# Allegro board reServer J2032_V1.brd (continued)
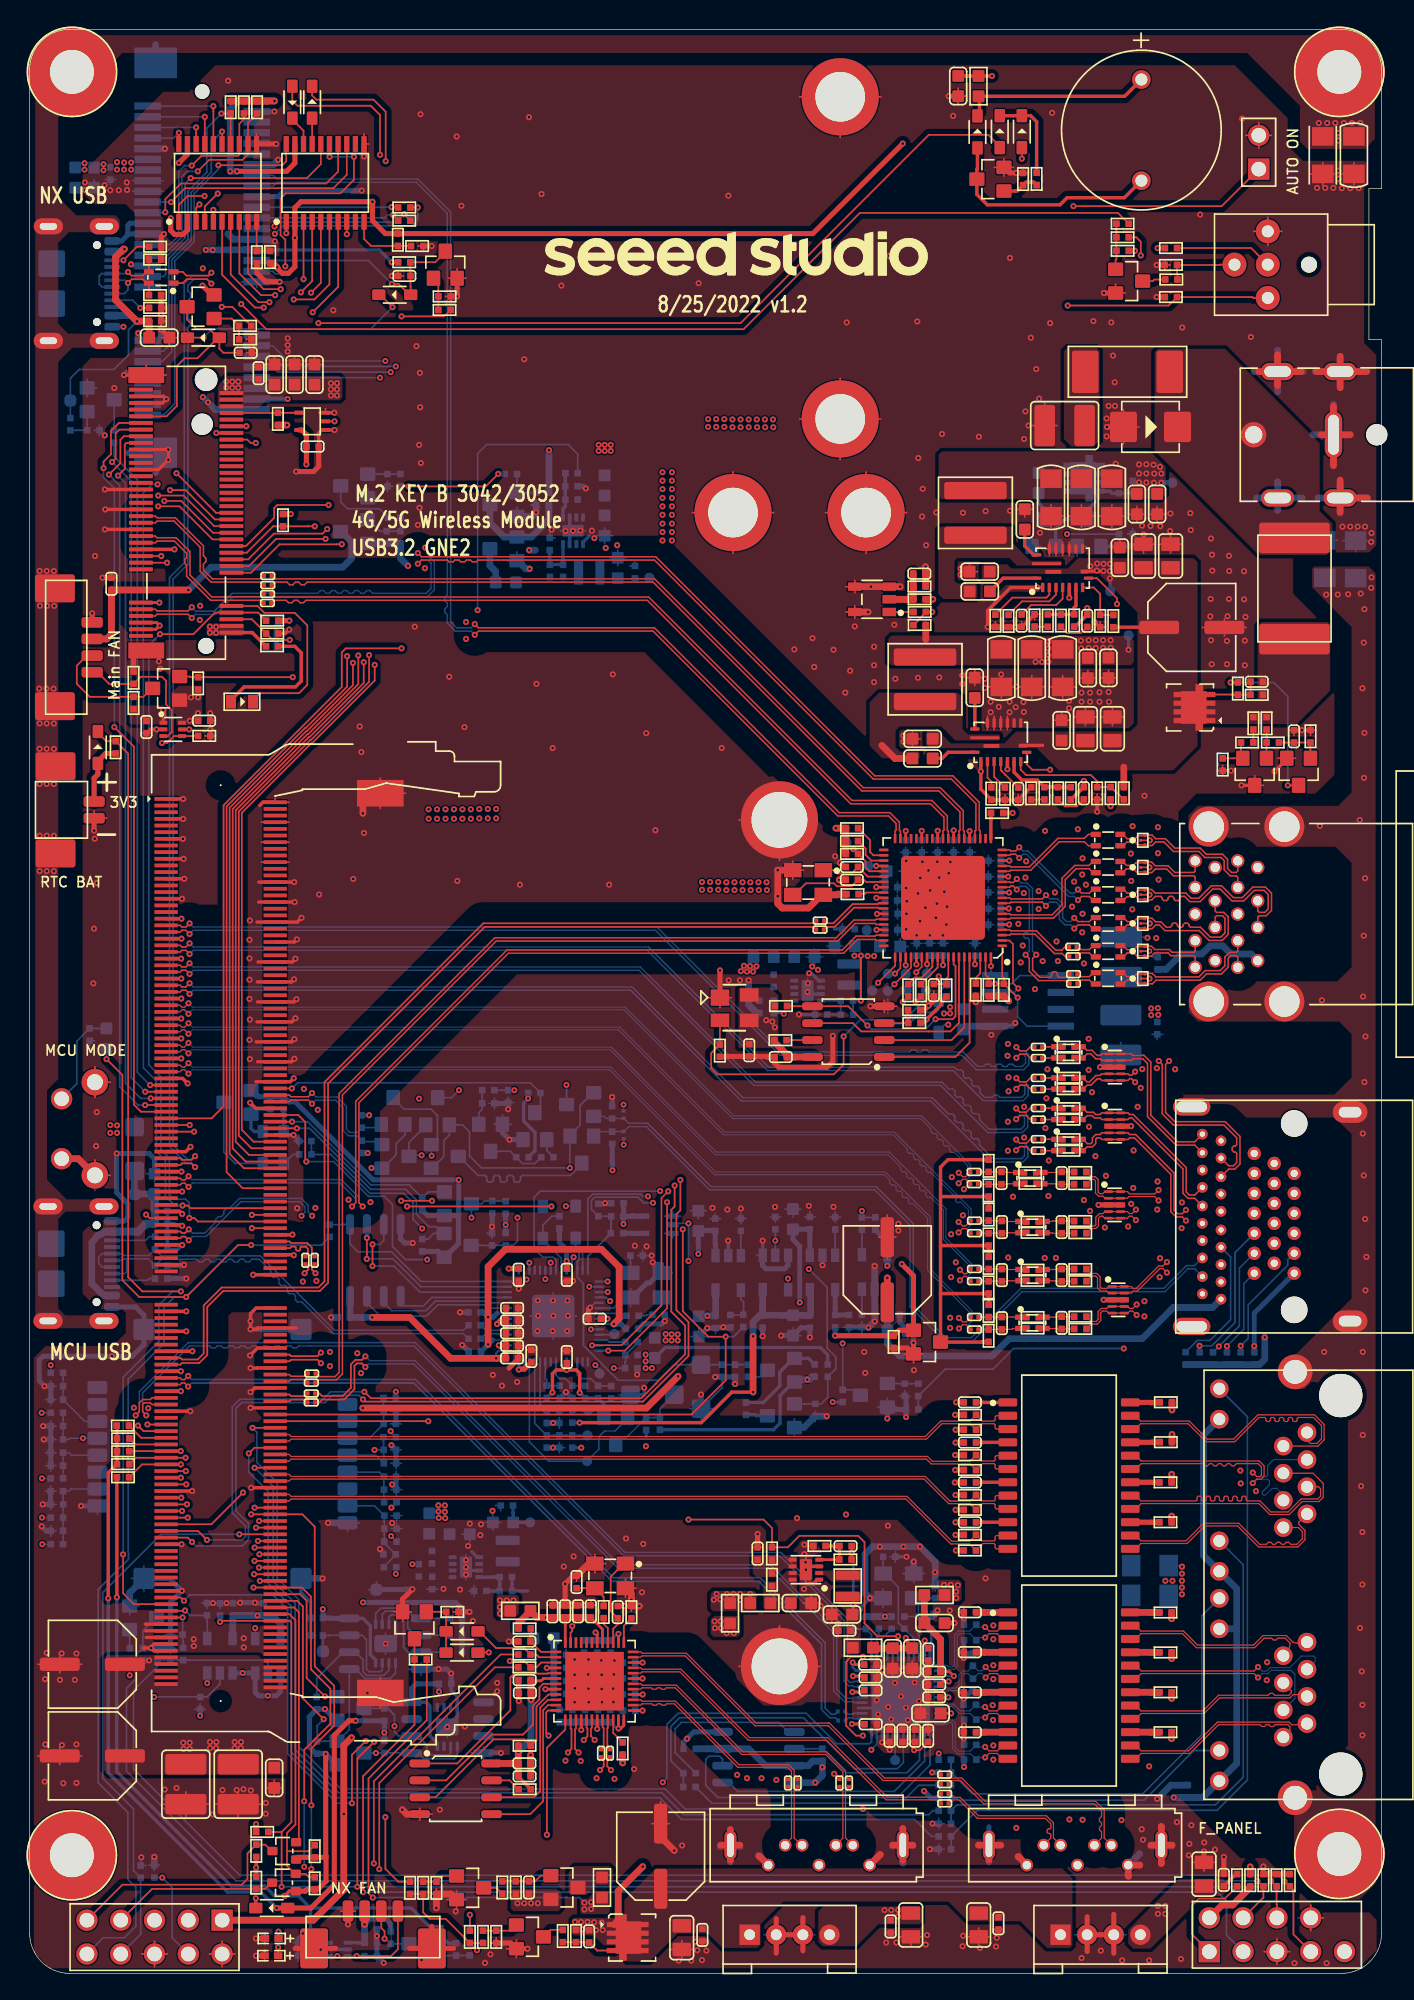
[diagram p0: board, top side]
## Placement (name value [footprint] x y rotation side) (continued)
D39  ESDPSA0402V05  [D0402]  2.04 36.23 0 bottom
D40  ESDPSA0402V05  [D0402]  2.04 39.12 0 bottom
D41  ESDPSA0402V05  [D0402]  2.04 43.11 0 bottom
D42  ESDPSA0402V05  [D0402]  2.04 40.11 0 bottom
D43  PMEG3010CEJ  [SOD_323]  13.06 122.89 180 top
D44  PMEG3010CEJ  [SOD_323]  27.44 126.12 180 top
D45  ESDPSA0402V05  [D0402]  27.11 34.4 180 bottom
D46  ESDPSA0402V05  [D0402]  27.08 37.32 180 bottom
D47  ESDPSA0402V05  [D0402]  27.06 41.28 180 bottom
D48  ESDPSA0402V05  [D0402]  27.08 38.31 180 bottom
D49  ESDPSA0402V05  [D0402]  9.88 56.32 180 bottom
D50  ESDPSA0402V05  [D0402]  9.43 124.14 180 top
D51  ESDPSA0402V05  [D0402]  9.88 54.39 180 bottom
D52  ESDPSA0402V05  [D0402]  9.88 53.17 180 bottom
D53  ESDPSA0402V05  [D0402]  9.42 128.76 180 top
D54  ESDPSA0402V05  [D0402]  9.42 126.09 180 top
D55  TPD4E05U06DQAR  [USON10_0D5_2D5X1X0D5MM]  81.53 57.74 270 top
D56  TPD4E05U06DQAR  [USON10_0D5_2D5X1X0D5MM]  81.81 50.61 270 top
D57  TPD4E05U06DQAR  [USON10_0D5_2D5X1X0D5MM]  81.56 68.09 270 top
D58  TPD4E05U06DQAR  [USON10_0D5_2D5X1X0D5MM]  81.56 63.65 270 top
D59  ESDPSA0402V05  [D0402]  84.75 71.01 90 bottom
D60  ESDPSA0402V05  [D0402]  84.77 75.89 270 bottom
D61  PMEG3010CEJ  [SOD_323]  18.19 4.91 180 top
D62  PMEG3010CEJ  [SOD_323]  68.32 71.9 270 bottom
D63  ESDPSA0402V05  [D0402]  4.5 70.53 90 bottom
D64  ESDPSA0402V05  [D0402]  9.36 7.66 270 bottom
D65  ESDPSA0402V05  [D0402]  87.04 13.68 270 bottom
D66  MMSZ3V3T1G  [SOD_123]  46.8 43.47 0 bottom
D67  ESDPSA0402V05  [D0402]  70.68 26.2 0 bottom
D68  ESDPSA0402V05  [D0402]  70.68 25.03 0 bottom
D69  ESDPSA0402V05  [D0402]  70.88 23.57 270 bottom
D70  ESDPSA0402V05  [D0402]  70.89 21.68 90 bottom
D71  ESDPSA0402V05  [D0402]  70.66 20.18 0 bottom
D72  ESDPSA0402V05  [D0402]  70.68 19.06 0 bottom
D73  ESDPSA0402V05  [D0402]  70.69 17.17 0 bottom
D74  ESDPSA0402V05  [D0402]  70.69 16.07 0 bottom
D75  ESDPSA0402V05  [D0402]  70.66 31.78 0 top
D76  ESDPSA0402V05  [D0402]  70.66 32.94 0 top
D77  ESDPSA0402V05  [D0402]  70.66 34.82 0 top
D78  ESDPSA0402V05  [D0402]  70.66 35.94 0 top
D79  ESDPSA0402V05  [D0402]  70.67 37.82 0 top
D80  ESDPSA0402V05  [D0402]  70.67 38.94 0 top
D81  ESDPSA0402V05  [D0402]  70.67 40.84 0 top
D82  ESDPSA0402V05  [D0402]  70.67 41.96 0 top
D83  PMEG3010CEJ  [SOD_323]  19.74 140.58 270 top
D84  PMEG3010CEJ  [SOD_323]  21.23 140.58 90 top
F1  5A  [R2P_7D4_8X5_5X1_2MM]  95.06 104.05 270 top
FB1  120R  [L0603]  46.97 46.99 270 bottom
FB2  120R  [L0603]  55.16 76.36 0 bottom
FB3  120R  [L0603]  30.03 33.8 270 bottom
FB4  120R  [L0603]  54.91 27.82 0 top
FB5  120R  [L0603]  43.21 111.79 270 bottom
FB6  120R  [L0603]  52.64 27.06 270 top
FB7  120R  [L0603]  62.63 24.47 0 top
FB8  30R  [L0603]  68 28.43 180 top
FB9  120R  [L0603]  38.62 25.18 0 bottom
FB10  120R  [L0603]  36.87 27.24 0 top
FB12  120R  [L0603]  43.01 6.45 270 top
FB13  120R  [L0603]  5.77 70.23 90 bottom
FB14  600R  [L0402]  45.24 47.44 0 bottom
J2  Header 2x5 2.54  [HEADER2X5P_2D54_1_DIP]  9.38 2.72 270 top
J3  4P-1.25mm  [HEADER4_2P_1D25_SMD]  4.7 99.63 270 top
J4  ST-PH-254-0096-2*5-K10  [HEADER2X5P_2D54_9P_RIGHT]  93.74 2.9 90 top
J5  SODDR4  [CON_SODIMM_260_SMT_0D5_AS0A821_H2SB_7H]  14.45 54.86 90 top
J7  LPJE201AGNL  [RJ45_24P_2D04_32_25X15_7MM]  95.11 29.19 90 top
J8  TYPE-A 3.0  [USB3_1_2D0_17_5X13_6X15_69MM]  94.29 79.59 90 top
J9  PH 4P 2.0mm  [HEADER4P-2_0-GROVE-DIP]  57.11 2.9 90 top
J10  JSATA-03A125  [SATA7P_1D27_16_1X6_4X8_4MM]  59.14 9.63 0 top
J11  PH 4P 2.0mm  [HEADER4P-2_0-GROVE-DIP]  80.48 2.9 90 top
J12  JSATA-03A125  [SATA7P_1D27_16_1X6_4X8_4MM]  78.57 9.63 0 top
J13  A132110S1-10  [HDMI_DP_39P_18D05X18D1X19D3MM]  100.34 56.85 90 top
J14  ST-SIM-216  [SIM2X8P_1D27_17D5X17D5X3MM]  14.49 39.02 0 bottom
J15  2E0BC21-S85BB-7H  [CON_MINIPEX_067_SMT_RA_M2_KEYE_B]  13.26 109.74 90 top
J16  ST-PC-002  [PCIE52_0D8_56X30_2X4MM]  12.96 128.89 0 bottom
J17  TYPE-C 2.0  [USB2_0_TYPE_C_LONG]  6.13 53.32 0 bottom
J18  TYPE-C 2.0  [USB2_0_TYPE_C_LONG]  6.16 126.96 0 bottom
J19  Header 1x2 1.25mm  [JST2P_1D25_7_55X3_9X4_8MM]  4.84 87.42 270 top
J20  JHD-0528A-25  [DC_JACK_JPD441_13X10X10MM]  103.99 115.6 270 top
J21  Header 1x2 2.54mm  [HEADER2P_2D54_DIP]  92.37 136.83 180 top
J22  4P-1.25mm  [HEADER4_2P_1D25_SMD]  25.8 4.68 0 top
L1  1.2uH  [L2P_3D35_5_55X5_35X3MM]  67.29 97.23 90 top
L2  1.2uH  [L2P_3D35_5_55X5_35X3MM]  71.08 109.72 90 top
L3  1uH  [L2016]  35.93 31.74 90 bottom
L4  1uH  [L2016]  61.61 75.04 90 bottom
L5  1uH  [L2016]  61.48 29.11 270 top
L6  1uH  [L2016]  42.05 105.24 0 bottom
L7  90R  [L2012]  81.05 78.9 0 top
L8  90R  [L2012]  81.05 83.12 0 top
L9  90R  [L2012]  81.05 76.79 0 top
L10  90R  [L2012]  81.05 81.03 0 top
L11  90R  [L2012]  81.05 85.15 0 top
L12  90R  [L2012]  81.05 74.76 0 top
L13  90R  [L2012]  75.2 59.75 0 top
L14  90R  [L2012]  75.36 56.06 0 top
L15  1nH  [L0402]  20.72 61.52 0 bottom
L16  90R  [L2012]  75.37 52.46 0 top
L17  90R  [L2012]  75.36 48.88 0 top
L18  90R  [L2012]  78.08 69.2 0 top
L19  90R  [L2012]  78.08 66.86 0 top
L20  90R  [L2012]  78.08 64.57 0 top
L21  90R  [L2012]  78.08 62.24 0 top
L22  90R  [L2012]  9.89 127.41 180 top
L23  3.9nH  [L0402]  75.19 60.18 0 top
L24  3.9nH  [L0402]  75.21 59.32 0 top
L25  3.9nH  [L0402]  75.37 56.48 0 top
L26  3.9nH  [L0402]  75.37 55.64 0 top
L27  3.9nH  [L0402]  75.37 52.87 0 top
L28  3.9nH  [L0402]  75.37 52.03 0 top
L29  3.9nH  [L0402]  75.37 49.31 0 top
L30  3.9nH  [L0402]  75.37 48.45 0 top
LED1  Blue  [LED0402]  18.17 1.33 180 top
LED2  Blue  [LED0402]  18.19 2.62 180 top
LED3  Green  [LED0603]  15.95 95.54 0 top
MH1  SMTSO2525CTJ  [PTH_4_2MM_5D8]  56.35 23.06 0 top
MH2  SMTSO2525CTJ  [PTH_4_2MM_5D8]  56.35 86.66 0 top
MH3  SMTSO2015CTJ  [PTH_3_73MM_5D8_PASTE]  62.86 109.75 0 bottom
MH4  SMTSO2015CTJ  [PTH_3_73MM_5D8_PASTE]  60.92 140.99 180 bottom
MH5  SMTSO2015CTJ  [PTH_3_73MM_5D8_PASTE]  60.92 116.79 180 bottom
MH6  SMTSO2015CTJ  [PTH_3_73MM_5D8_PASTE]  52.86 109.75 0 bottom
MH7  Hole 3.3MM  [PTH_3_3MM_6D8]  98.43 8.98 0 top
MH8  Hole 3.3MM  [PTH_3_3MM_6D8]  3.18 142.86 0 top
MH9  Hole 3.3MM  [PTH_3_3MM_6D8]  98.43 142.86 0 top
MH10  Hole 3.3MM  [PTH_3_3MM_6D8]  3.17 8.88 0 top
Q1  RQ3E120ATTB  [DFN08_SON08_0D66_3X3MM]  87.21 95.1 180 top
Q3  RQ3E120ATTB  [DFN08_SON08_0D66_3X3MM]  78.92 112.33 180 bottom
Q4  CJ2324  [SOT23]  76.22 108.23 180 bottom
Q5  BSS138LT3G  [SOT23]  79.62 108.23 180 bottom
Q6  BSS138LT3G  [SOT23]  35.6 110.35 270 bottom
Q7  BSS138LT3G  [SOT23]  35.6 107.02 270 bottom
Q8  CJ3407  [SOT23]  56.46 45.32 270 bottom
Q9  BSS138LT3G  [SOT23]  56.46 41.89 270 bottom
Q10  BSS138LT3G  [SOT23]  10.25 96.54 90 top
Q11  BSS138LT3G  [SOT23]  72.2 134.8 90 top
Q12  BSS138LT3G  [SOT23]  82.63 127.14 270 top
Q13  BSS138LT3G  [SOT23]  28.92 26.15 180 top
Q14  RQ3E120ATTB  [DFN08_SON08_0D66_3X3MM]  45.28 2.69 0 top
Q15  CJ3407  [SOT23]  40.19 6.45 270 top
Q16  2N7002,215  [SOT23]  37.59 2.74 270 top
Q17  2N7002,215  [SOT23]  33.1 6.43 270 top
Q18  BSS138LT3G  [SOT23]  32.16 54.7 90 bottom
Q19  BSS138LT3G  [SOT23]  32.18 57.82 90 bottom
Q20  BSS138LT3G  [SOT23]  15.61 65.44 270 bottom
Q21  BSS138LT3G  [SOT23]  67.44 47.43 270 top
Q22  MMBT3904  [SOT23]  63.44 43.43 270 bottom
Q23  BSS138LT3G  [SOT23]  27.31 64.8 180 bottom
Q24  BSS138LT3G  [SOT23]  31.19 61.38 90 bottom
Q25  BSS138LT3G  [SOT23]  41.49 61.89 0 bottom
Q26  BSS138LT3G  [SOT23]  27.49 61.38 90 bottom
Q27  BSS138LT3G  [SOT23]  30.66 64.77 180 bottom
Q28  BSS138LT3G  [SOT23]  41.37 65.28 270 bottom
Q29  MMBT3904  [SOT23]  37.97 63.65 180 bottom
Q30  MMBT3904  [SOT23]  34.64 62.78 0 bottom
Q31  BSS138LT3G  [SOT23]  12.84 125.21 90 top
Q32  BSS138LT3G  [SOT23]  31.24 128.37 0 top
Q33  MMBT3904  [SOT23]  5.34 118.23 90 bottom
Q34  BSS138LT3G  [SOT23]  24.11 16.56 90 bottom
Q35  BSS138LT3G  [SOT23]  24.11 19.9 90 bottom
Q36  BSS138W  [SOT-323-3]  19.11 6.81 90 top
Q37  BSS138W  [SOT-323-3]  19.14 9.19 90 top
Q38  2N7002,215  [SOT23]  95.37 90.27 180 top
Q39  BSS138LT3G  [SOT23]  44.04 40.74 0 bottom
Q40  BSS138LT3G  [SOT23]  29.52 2.22 270 bottom
Q41  BSS138LT3G  [SOT23]  8.52 26.72 90 bottom
Q42  CJ3407  [SOT23]  24.36 108.32 270 bottom
Q43  2N7002,215  [SOT23]  24.39 111.75 270 bottom
R1  2R  [R2512]  82.51 120.33 180 top
R4  147K  [R0402]  66.88 103.23 180 top
R7  61.9K  [R0402]  66.87 104.2 0 top
R8  100K  [R0402]  66.88 101.3 180 top
R9  10K  [R0402]  82.23 88.66 270 top
R10  100K  [R0402]  78.24 88.65 270 top
R11  1K  [R0402]  77.28 88.66 270 top
R12  13K  [R0402]  76.26 88.66 270 top
R13  0R  [R0402]  81.24 88.67 90 top
R14  1M  [R0402]  80.22 88.66 270 top
R15  8.2K  [R0402]  72.27 88.64 270 top
R16  68K  [R0402]  73.29 88.63 270 top
R17  330R  [R0402]  75.27 88.65 90 top
R18  10K  [R0402]  81.44 101.6 90 top
R19  100K  [R0402]  78.5 101.65 270 top
R20  22K  [R0402]  76.52 101.63 270 top
R21  1K  [R0402]  77.51 101.63 270 top
R22  100K  [R0402]  82.89 111.67 270 bottom
R23  1M  [R0402]  80.45 101.61 270 top
R24  2.2R  [R0603]  75.83 111.98 270 bottom
R25  8.2K  [R0402]  72.58 101.62 270 top
R26  0R  [R0402]  73.57 101.61 270 top
R27  0R  [R0402]  75.52 101.65 90 top
R28  1K  [R0402]  81.87 107.67 270 bottom
R29  100K  [R0402]  82.89 107.69 90 bottom
R30  51K  [R0402]  30.23 31.27 270 bottom
R31  51K  [R0402]  55.91 74.58 270 bottom
R32  1K  [R0402]  29.24 30.28 270 bottom
R33  1K  [R0402]  55.92 72.6 90 bottom
R34  120K  [R0402]  35.78 29.78 180 bottom
R35  75K  [R0402]  61.41 73.08 180 bottom
R36  110K  [R0402]  33.85 28.74 180 bottom
R37  100K  [R0402]  59.48 72.04 180 bottom
R38  51K  [R0402]  40.72 110.73 180 bottom
R39  51K  [R0402]  55.79 29.58 90 top
R40  1K  [R0402]  55.79 31.55 270 top
R41  1K  [R0402]  40.72 112.71 180 bottom
R42  63.4K  [R0402]  61.31 31.1 180 top
R43  200K  [R0402]  40.09 105.38 90 bottom
R44  110K  [R0402]  59.36 32.11 180 top
R45  100K  [R0402]  39.08 107.39 90 bottom
R46  100K  [R0402]  39.02 110.79 270 bottom
R47  4.7R  [R0603]  35.78 104.5 180 bottom
R48  1K  [R0402]  36.16 112.66 0 bottom
R49  100K  [R0402]  38.06 110.78 270 bottom
R50  100K  [R0402]  44.16 56.88 180 bottom
R51  1K  [R0402]  22.54 55.79 90 bottom
R52  100R  [R0402]  44.14 55.61 180 bottom
R53  10K  [R0402]  39.81 56.43 90 bottom
R54  10K  [R0402]  45.23 46.46 0 bottom
R55  100K  [R0402]  13.32 27.36 90 bottom
R56  100K  [R0402]  12.81 20.31 270 bottom
R57  27R  [R0402]  33.44 47.68 180 bottom
R58  27R  [R0402]  33.44 48.7 180 bottom
R59  100R  [R0402]  45.31 49.41 0 bottom
R60  100K  [R0402]  9.61 23.98 90 bottom
R61  100K  [R0402]  40.78 39.96 90 bottom
R62  100K  [R0402]  40.78 41.84 90 bottom
R63  100K  [R0402]  39.81 39.96 270 bottom
R64  47K  [R0402]  39.81 41.82 270 bottom
R65  100K  [R0402]  58.99 45.3 90 bottom
R66  91K  [R0402]  53.83 42.42 270 bottom
R67  10K  [R0402]  59.98 45.29 270 bottom
R68  2K  [R0402]  53.99 45.28 90 bottom
R69  100K  [R0402]  59.04 42.32 270 bottom
R71  10K  [R0402]  12.66 96.92 90 top
R72  10K  [R0402]  7.81 95.45 90 top
R73  100R  [R0603]  71.31 141.79 270 top
R74  1K  [R0402]  7.81 97.34 90 top
R75  1K  [R0402]  75.68 134.82 270 top
R76  100K  [R0402]  74.66 134.81 90 top
R77  100K  [R0402]  13.12 92.97 0 top
R78  330R  [R0402]  90.74 7 270 top
R79  330R  [R0402]  91.73 7 270 top
R80  1K  [R0402]  85.77 129.62 0 top
R81  10K  [R0402]  82.14 129.42 180 top
R82  1K  [R0402]  85.8 127.26 180 top
R83  0R  [R0402]  82.14 131.45 180 top
R84  10K  [R0402]  29.38 23.58 180 top
R85  0R  [R0402]  82.14 130.44 180 top
R86  100K  [R0402]  31.76 27.16 0 top
R87  47K  [R0402]  7 41.15 0 top
R88  47K  [R0402]  7.02 40.19 0 top
R89  47K  [R0402]  7.02 39.22 0 top
R90  47K  [R0402]  7.02 38.26 0 top
R91  0R  [R0402]  6.46 92.12 270 top
R92  10K  [R0402]  17.48 10.63 0 top
R93  10K  [R0402]  18.65 116.79 90 top
R94  0R  [R0402]  49.58 14 0 bottom
R95  4.7K  [R0402]  59.57 16.42 270 bottom
R96  0R  [R0402]  49.59 15.04 0 bottom
R97  4.7K  [R0402]  64.78 26.35 90 bottom
R98  4.7K  [R0402]  63.82 26.35 90 bottom
R99  1K  [R0402]  62.85 26.34 90 bottom
R100  15K  [R0402]  61.91 26.28 90 bottom
R101  2.49K  [R0402]  67.75 26.33 90 bottom
R102  0R  [R0402]  66.79 26.35 90 bottom
R103  1M  [R0402]  65.74 26.35 90 bottom
R104  75R  [R0402]  85.36 27.11 0 top
R105  75R  [R0402]  85.36 24.11 0 top
R106  75R  [R0402]  85.36 21.12 0 top
R107  75R  [R0402]  85.36 18.12 0 top
R108  330R  [R0402]  68.78 14.13 0 bottom
R109  330R  [R0402]  68.78 16.06 0 bottom
R110  75R  [R0402]  85.39 42.91 0 top
R111  75R  [R0402]  85.39 39.91 0 top
R112  75R  [R0402]  85.36 36.89 0 top
R113  75R  [R0402]  85.36 33.89 0 top
R114  330R  [R0402]  68.78 12.22 0 bottom
R115  330R  [R0402]  68.78 10.29 0 bottom
R116  10K  [R0402]  61.8 84.11 0 top
R117  10K  [R0402]  61.8 85.07 0 top
R118  10K  [R0402]  73.21 73.89 90 top
R119  10K  [R0402]  72.07 73.89 90 top
R120  10K  [R0402]  72.71 87.18 180 top
R121  10K  [R0402]  61.8 86.04 0 top
R123  0R  [R0402]  66.02 73.86 90 top
R124  0R  [R0402]  66.99 73.86 90 top
R125  10K  [R0402]  71.11 73.9 270 top
R126  12.4K  [R0402]  61.84 81.08 180 top
R127  10K  [R0402]  56.42 70.11 0 top
R128  10K  [R0402]  66.48 71.41 180 top
R129  10K  [R0402]  56.46 72.68 0 top
R130  10K  [R0402]  66.47 72.37 0 top
R131  4.7K  [R0402]  37.19 17.1 0 top
R132  330R  [R0402]  37.18 22.99 180 top
R133  330R  [R0402]  37.18 23.96 180 top
R134  4.7K  [R0402]  37.2 25.91 180 top
R135  0R  [R0402]  43.14 27.15 90 top
R136  12K  [R0402]  44.56 16.9 270 top
R137  12K  [R0402]  45.22 27.14 90 top
R138  100K  [R0402]  41.06 2.81 270 top
R139  100K  [R0402]  36.53 6.45 90 top
R140  0R  [R0402]  28.59 6.43 270 top
R141  51K  [R0402]  40.06 2.81 90 top
R142  0R  [R0402]  33.08 2.74 270 top
R143  0R  [R0402]  35.52 6.45 270 top
R144  1K  [R0402]  34.07 2.74 90 top
R145  1K  [R0402]  29.57 6.43 90 top
R146  100K  [R0402]  35.06 2.74 270 top
R147  100K  [R0402]  30.57 6.43 270 top
R148  10K  [R0402]  29.5 54.71 90 bottom
R149  10K  [R0402]  29.5 57.81 90 bottom
R150  1.8K  [R0402]  35.77 55.16 270 bottom
R151  1.8K  [R0402]  35.77 57.55 90 bottom
R152  1K  [R0402]  53.63 49.03 90 bottom
R153  15K  [R0402]  53.45 56.25 90 bottom
R154  1K  [R0402]  60.54 49 90 bottom
R155  100K  [R0402]  52.66 49 270 bottom
R156  100K  [R0402]  61.58 49 270 bottom
R157  15K  [R0402]  60.54 56.35 90 bottom
R159  499R  [R0402]  72.07 60.67 270 top
R161  499R  [R0402]  72.07 58.82 90 top
R163  150K  [R0402]  18.07 65.4 270 bottom
R164  33K  [R0402]  19.08 65.4 270 bottom
R165  499R  [R0402]  72.07 57.01 270 top
R167  499R  [R0402]  72.07 55.14 90 top
R169  499R  [R0402]  72.07 53.38 270 top
R170  0R  [R0402]  78.95 59.29 0 top
R172  0R  [R0402]  78.95 56.52 0 top
R173  0R  [R0402]  78.96 60.21 0 top
R174  499R  [R0402]  72.07 51.54 90 top
R175  0R  [R0402]  78.96 55.61 0 top
R177  0R  [R0402]  78.96 52.92 0 top
R178  0R  [R0402]  78.96 52 0 top
R179  0R  [R0402]  78.96 49.33 0 top
R180  0R  [R0402]  78.96 48.42 0 top
R181  10K  [R0402]  61.1 43.38 90 bottom
R182  499R  [R0402]  72.07 49.77 270 top
R184  499R  [R0402]  72.07 47.91 90 top
R185  100K  [R0402]  66.79 43.84 270 bottom
R186  100K  [R0402]  65.77 43.84 270 bottom
R187  100K  [R0402]  64.93 47.45 270 top
R188  100K  [R0402]  24.95 64 270 bottom
R189  100K  [R0402]  43.77 62.78 90 bottom
R190  0R  [R0402]  62.54 56.33 270 bottom
R191  6.8K  [R0402]  62.54 49.01 270 bottom
R192  100K  [R0402]  24.95 62.1 90 bottom
R193  100K  [R0402]  43.77 64.69 90 bottom
R194  10K  [R0402]  37.93 66.15 0 bottom
R195  5.1K  [R0402]  37.03 61.32 180 bottom
R196  0R  [R0402]  78.08 69.63 0 top
R197  5.1K  [R0402]  38.91 61.32 180 bottom
R198  100K  [R0402]  34.47 66.35 0 bottom
R199  0R  [R0402]  78.08 68.77 0 top
R200  0R  [R0402]  78.08 67.29 0 top
R201  100K  [R0402]  34.47 65.36 0 bottom
R202  0R  [R0402]  78.08 66.43 0 top
R203  0R  [R0402]  78.08 65.01 0 top
R204  0R  [R0402]  78.08 64.14 0 top
R205  0R  [R0402]  78.08 62.67 0 top
R206  0R  [R0402]  78.08 61.81 0 top
R207  1M  [R0402]  56.04 56.37 90 bottom
R208  5.1M  [R0402]  86.88 46.21 270 bottom
R209  10K  [R0402]  2.05 32.24 180 bottom
R210  20R  [R0402]  2.04 34.25 0 bottom
R211  20R  [R0402]  2.04 37.19 0 bottom
R212  20R  [R0402]  2.04 45.12 0 bottom
R213  20R  [R0402]  2.05 42.12 0 bottom
R214  1K  [R0402]  16.19 123.78 0 top
R215  100K  [R0402]  16.2 122.76 0 top
R216  100K  [R0402]  7.01 37.27 0 top
R217  1K  [R0402]  18.22 99.7 180 top
R218  10K  [R0402]  18.23 101.63 180 top
R219  10K  [R0402]  19.04 109.18 270 top
R220  20K  [R0402]  18.23 100.67 0 top
R221  20K  [R0402]  18.07 128.95 90 top
R222  20K  [R0402]  27.67 130.25 270 top
R223  1M  [R0402]  17.08 128.94 90 top
R224  1M  [R0402]  29.12 129.77 180 top
R227  100K  [R0402]  28.15 128.56 0 top
R228  0R  [R0402]  28.15 131.68 0 top
R229  0R  [R0402]  28.15 132.67 0 top
R230  1K  [R0402]  31.18 124.98 0 top
R231  100K  [R0402]  31.18 125.99 180 top
R232  10K  [R0402]  27.08 30.51 0 bottom
R233  20R  [R0402]  27.11 32.44 180 bottom
R234  20R  [R0402]  27.11 35.39 180 bottom
R235  20R  [R0402]  27.05 43.24 180 bottom
R236  20R  [R0402]  27.05 40.29 180 bottom
R237  100R  [R0402]  6.34 115.46 90 bottom
R238  10K  [R0402]  3.06 116.39 90 bottom
R239  1M  [R0402]  9.87 57.28 0 bottom
R240  1M  [R0402]  4.79 115.93 0 bottom
R241  5.1K  [R0402]  9.88 52.2 0 bottom
R242  5.1K  [R0402]  9.89 55.35 0 bottom
R243  5.1K  [R0402]  9.43 125.13 0 top
R244  5.1K  [R0402]  9.43 129.73 0 top
R245  10K  [R0402]  21.6 16.97 90 bottom
R246  10K  [R0402]  26.65 17.02 270 bottom
R247  10K  [R0402]  21.58 20.3 90 bottom
R248  10K  [R0402]  26.66 19.44 90 bottom
R249  10K  [R0402]  32.03 24.14 180 bottom
R250  10K  [R0402]  32.03 25.38 180 bottom
R251  10K  [R0402]  32.03 26.68 180 bottom
R252  10K  [R0402]  21.57 25.38 180 bottom
R253  0R  [R0402]  11.54 24 270 bottom
R254  100K  [R0402]  21.42 9.18 90 top
R255  100K  [R0402]  21.42 6.77 90 top
R256  100K  [R0402]  17.03 6.81 270 top
R257  100K  [R0402]  17.03 9.21 90 top
R259  510R  [R0402]  53.02 45.28 270 bottom
R260  0R  [R1206]  97.34 106.26 270 bottom
R261  0R  [R1206]  97.19 136.6 90 top
R262  10K  [R0402]  63.55 56.33 90 bottom
R263  10K  [R0402]  68.9 73.86 90 top
R264  100K  [R0402]  51.87 69.33 270 top
R265  4.7K  [R0402]  37.2 13.83 180 top
R266  20K  [R0402]  91.97 93.92 270 top
R267  1K  [R0402]  91.5 92.48 180 top
R268  5.1K  [R0402]  89.66 90.82 270 top
R269  20K  [R0402]  92.96 93.92 270 top
R270  100K  [R0402]  92.22 96.06 180 top
R271  1K  [R0402]  90.8 96.53 90 top
R272  15K  [R0402]  96.26 92.94 90 top
R273  15K  [R0402]  93.43 92.47 0 top
R274  0R  [R0402]  66.89 102.28 0 top
R275  100K  [R0402]  47.37 41.3 90 bottom
R276  22K  [R0402]  46.33 41.29 270 bottom
R277  10K  [R0402]  39.83 43.69 270 bottom
R278  10K  [R0402]  38.86 43.7 90 bottom
R279  10K  [R0402]  40.79 43.69 270 bottom
R280  10K  [R0402]  41.75 43.68 90 bottom
R281  10K  [R0402]  42.72 43.68 90 bottom
R282  10K  [R0402]  43.7 43.67 270 bottom
R283  10K  [R0402]  32.05 1.8 270 bottom
R284  10K  [R0402]  27.13 2.69 270 bottom
R285  4.7K  [R0402]  25.62 1.29 0 bottom
R286  100K  [R0402]  20.64 1.31 180 bottom
R287  0R  [R0402]  33.07 1.81 270 bottom
R288  51K  [R0402]  15.11 140.2 270 top
R289  51K  [R0402]  16.1 140.2 270 top
R290  51K  [R0402]  17.09 140.2 270 top
R291  10K  [R0402]  8.51 23.98 90 bottom
R292  0R  [R0402]  7.52 23.97 90 bottom
R293  100K  [R0402]  26.82 107.9 90 bottom
R294  0R  [R0402]  27.4 109.37 180 bottom
R295  1K  [R0402]  27.87 112.19 90 bottom
R296  100K  [R0402]  26.89 112.18 270 bottom
SW1  ELI0670-3-12L26010-G  [SW4P_2D5_12X7_6X8_7MM]  93.05 128.38 90 top
SW2  SKQJLBA010  [SWITCH4-8X7X7MM]  2.55 63.46 270 bottom
T1  LP72488ANL  [TRF24P_1D0_15_1X7_1X4MM]  78.11 21.62 270 top
T2  LP82440ANL  [TRF24P_1D0_15_1X7_1X4MM]  78.11 37.4 270 top
TP1  Test Point  [TP30C_SMD]  81.2 103.84 270 bottom
TP2  Test Point  [TP30C_SMD]  82.59 100.53 90 bottom
TP3  Test Point  [TP30C_SMD]  85.87 111.98 90 bottom
TP4  Test Point  [TP30C_SMD]  37.62 33.88 0 bottom
TP5  Test Point  [TP30C_SMD]  62.91 78.38 180 bottom
TP6  Test Point  [TP30C_SMD]  61.9 28.34 0 bottom
TP7  Test Point  [TP30C_SMD]  46.58 104.85 90 bottom
TP8  Test Point  [TP30C_SMD]  65.04 16.02 180 bottom
TP9  Test Point  [TP30C_SMD]  61.39 84.98 90 bottom
TP10  Test Point  [TP30C_SMD]  68.95 74.35 90 bottom
TP11  Test Point  [TP30C_SMD]  63.32 73.84 0 bottom
TP12  Test Point  [TP30C_SMD]  64.49 75.11 0 bottom
TP13  Test Point  [TP30C_SMD]  65.84 75.11 0 bottom
TP14  Test Point  [TP30C_SMD]  63.04 83.21 90 bottom
TP15  Test Point  [TP30C_SMD]  64.49 73.81 0 bottom
TP16  Test Point  [TP30C_SMD]  65.91 73.86 0 bottom
TP17  Test Point  [TP30C_SMD]  67.44 75.13 0 bottom
TP20  Test Point  [TP30C_SMD]  64.49 72.69 270 bottom
TP21  Test Point  [TP30C_SMD]  67.36 73.83 270 bottom
TP23  Test Point  [TP35S_SMD]  7.87 58.54 90 bottom
TP24  Test Point  [TP35S_SMD]  3.06 118.17 180 bottom
TP25  Test Point  [TP35S_SMD]  22.04 24.2 270 bottom
TP26  Test Point  [TP35S_SMD]  26.06 28.83 270 bottom
TP29  Test Point  [TP30C_SMD]  41.97 42.3 90 bottom
TP30  Test Point  [TP30C_SMD]  41.92 40.42 90 bottom
TP31  Test Point  [TP30C_SMD]  41.89 38.49 180 bottom
TP32  Test Point  [TP30C_SMD]  43.95 48.04 180 bottom
TP33  Test Point  [TP30C_SMD]  42.83 45.07 180 bottom
U1  NCP301LSN20T1G  [SOT23-5]  63.31 103.23 90 top
U2  SQ29020VDC  [QFN19_0D5_3X4X0_65MM]  72.98 92.49 90 top
U3  SQ29020VDC  [QFN19_0D5_3X4X0_65MM]  77.63 105.57 90 top
U4  ETA3410D2I-T  [DFN8G_0D5_2X2MM_3410]  32.79 30.52 180 bottom
U5  ETA3410D2I-T  [DFN8G_0D5_2X2MM_3410]  58.46 73.83 180 bottom
U6  ETA3410D2I-T  [DFN8G_0D5_2X2MM_3410]  40.83 108.38 90 bottom
U7  ETA3410D2I-T  [DFN8G_0D5_2X2MM_3410]  58.34 30.33 180 top
U8  SN74LVC1G07DCKR  [DCK5_2P15X1P4]  47.22 56.24 270 bottom
U9  GD25Q40ETIGR  [SOIC8_1D27_4_9X3_9MM]  25.98 53.57 0 bottom
U10  RP2040  [QFN56_0D4_7X7X0_9MM]  39.35 49.38 270 bottom
U11  SN74LV1T125DBVR  [SOT23-5]  14.3 23.86 180 bottom
U12  SN74LV1T125DBVR  [SOT23-5]  17.9 23.86 180 bottom
U13  SN74LVC1T45DRLR  [SOT6]  10.79 93.46 0 top
U14  74LVC1G07GW  [SOT353]  21.23 116.61 90 top
U15  GD25Q40ETIGR  [SOIC8_1D27_4_9X3_9MM]  54.77 16.24 90 bottom
U16  RTL8125BG-CG  [QFN48_0D4_6X6_EP]  65.47 20.94 270 bottom
U17  VL822-Q7  [QFN76L_0D4_9X9X0_9MM]  68.64 80.8 180 top
U18  GD25Q40ETIGR  [SOIC8_1D27_4_9X3_9MM]  61.53 70.75 90 top
U19  TPS2066DR  [SO_8_1D27_4_8X3_8MM]  75.02 73.07 90 bottom
U20  GD25Q40ETIGR  [SOIC8_1D27_4_9X3_9MM]  32.01 13.87 270 top
U21  JMB582QH  [QFN48_0D4_6X6_EP]  42.45 21.95 0 top
U22  SY6280AAC  [SOT23-5]  52.5 52.63 0 bottom
U23  SY6280AAC  [SOT23-5]  59.59 52.66 0 bottom
U24  SY6280AAC  [SOT23-5]  63.5 52.71 180 bottom
U25  SN74LV1T125DBVR  [SOT23-5]  56.04 52.66 0 bottom
U26  TXB0108PWR  [TSSOP20-0_65-6_5X4_4X1MM]  14.13 134.52 0 top
U27  TXB0108PWR  [TSSOP20-0_65-6_5X4_4X1MM]  22.21 134.52 0 top
U28  ATECC608A-SSHDA-B  [SOIC8_1D27_4_9X3_9MM]  31.4 18.46 270 bottom
U29  ATECC608A-MAHDA-S  [UDFN8_0D5_2X3X0_6MM]  31.38 18.52 0 bottom
U30  AT24C02C-SSHM-T  [SOIC8_1D27_4_9X3_9MM]  26.72 24.76 270 bottom
U31  UM805RE  [SOT_143]  52.98 72.56 270 top
U32  ATL431AIDBZR  [SOT23]  92.06 90.27 180 top
U33  SN74LVC1T45DRLR  [SOT6]  23.16 1.8 180 bottom
U34  CAT24C02VP2IGT3A  [UDFN8_0D5_2X3X0_6MM]  26.75 24.78 0 bottom
X1  12MHz  [X4-SMD-3_2X2_5X1_0MM]  46.33 51.7 0 bottom
X2  25MHz  [X4-SMD-3_2X2_5X1_0MM]  65.29 29.12 0 bottom
X3  25MHz  [X4-SMD-3_2X2_5X1_0MM]  58.5 81.96 180 top
X4  25MHz  [X4-SMD-3_2X2_5X1_0MM]  43.63 29.86 180 top

## Library data of the parts
B1 = ACTIVE BUZZER
C1-C3 C5-C8 C10-C19 C21-C222 C224-C237 C239-C243 C245-C250 C253-C261 C263-C266 C269-C278 C280-C285 = CC
C9 C223 C262 C267 C279 = CT
C238 C244 C251 C252 = CC: signal model: DEFAULT_CAPACITOR_100000pF_1_2
D1 D11-D15 D19-D25 D34-D42 D45-D54 D59 D60 D63-D65 D67-D82 = DIODE TVS BI-DIR
D4-D6 D8-D10 D16-D18 D32 D33 D43 D44 D61 D62 D83 D84 = D
D7 D66 = D_zener
D26-D31 = ESD122DMX
D55-D58 = D_ESD_DIFFPAIR
F1 = Fuse
FB1-FB10 FB12-FB14 = FB
J2 = Header 2X5
J3 J22 = Header_4+2P
J4 = Header 2X5 9P_0
J5 = CON_SODIMM260_JETSON_NANO
J7 = LPJE201AGNL
J8 = USB3.0_Dual Type A_18+4P
J9 J11 = Header_4P
J10 J12 = SATA-03A125
J13 = DP_HDMI_CONN
J14 = ST-SIM-216
J15 = CON_M2_PCI_EXP_KEYB
J16 = MINI_PCIE_52P
J17 J18 = USB2.0_Type C_16+6P#1
J19 = Header_2+2P
J20 = Power Jack_0: Tolerance: X; User Part Number: X
J21 = Header 1x2
L1-L6 L15 L23-L30 = L
L7-L14 L16-L22 = CL
LED1-LED3 = Single LED
MH1-MH10 = Mhole
Q1 Q3 Q14 = PMOS_5P
Q4-Q7 Q9-Q13 Q16-Q21 Q23-Q28 Q31 Q32 Q34-Q41 Q43 = NMOS_123
Q8 Q15 Q42 = PMOS_123
Q22 Q29 Q30 Q33 = NPN
R1 R4 R7-R69 R71-R121 R123-R157 R159 R161 R163-R165 R167 R169 R170 R172-R175 R177-R182 R184-R224 R227-R257 R259-R296 = R
SW1 = A0670
SW2 = Tactile Switch_2+2P
T1 T2 = LP5004NL
TP1-TP17 TP20 TP21 TP23-TP26 TP29-TP33 = Test Point
U1 = NCP301LSN20T1
U2 U3 = SQ29020
U4-U7 = ETA3410
U8 U14 = SN74LVC1G07DCK
U9 U15 U18 U20 = QSPI_8P
U10 = RP2040
U11 U12 U25 = SN74LVC1G06DCK
U13 U33 = SN74LVC1T45DRLR
U16 = RTL8125BG
U17 = VL822-Q7
U19 = STMPS2252MTR
U21 = JMB582QH
U22-U24 = SY6280
U26 U27 = TXS0108EPWR
U28 = ATECC608A-SSHDA-B
U29 = ATECC608A
U30 = CAT24C256
U31 = UM805_4P
U32 = TLV431A_1
U34 = EEPROM_8+1P
X1-X4 = XTAL_4P

## Footprints (pads in the part's own frame, mm; a bottom-side part is the same pattern mirrored in y, then rotated)
BUZZER2P_R12
  round 1.4 hole 0.9: 1(0,3.8) 2(0,-3.8)
C0201
  rrect 0.279x0.318 smd: 1(-0.279,0) 2(0.279,0)
C0402
  rrect 0.5x0.5 smd: 1(-0.463,0) 2(0.463,0)
C0603
  rrect 0.889x0.889 smd: 1(-0.762,0) 2(0.762,0)
C0805
  rrect 1.016x1.397 smd: 1(-0.889,0) 2(0.889,0)
C1206
  rect 1.397x1.626 smd: 1(-1.41,0) 2(1.41,0)
C1210
  rrect 1.55x3.1 smd: 1(-1.5,0) 2(1.5,0)
CON_MINIPEX_067_SMT_RA_M2_KEYE_B
  round 1.2 hole 1.2 unplated: (-10,0)
  round 1.7 hole 1.7 unplated: (10,0)
  rrect 0.3x1.8 smd: 1(-9.25,4.9) 2(-9,-1.9) 3(-8.75,4.9) 4(-8.5,-1.9) 5(-8.25,4.9) 6(-8,-1.9) 7(-7.75,4.9) 8(-7.5,-1.9) 9(-7.25,4.9) 10(-7,-1.9) 11(-6.75,4.9) 20(-4.5,-1.9) 21(-4.25,4.9) 22(-4,-1.9) 23(-3.75,4.9) 24(-3.5,-1.9) 25(-3.25,4.9) 26(-3,-1.9) 27(-2.75,4.9) 28(-2.5,-1.9) 29(-2.25,4.9) 30(-2,-1.9) 31(-1.75,4.9) 32(-1.5,-1.9) 33(-1.25,4.9) 34(-1,-1.9) 35(-0.75,4.9) 36(-0.5,-1.9) 37(-0.25,4.9) 38(0,-1.9) 39(0.25,4.9) 40(0.5,-1.9) 41(0.75,4.9) 42(1,-1.9) 43(1.25,4.9) 44(1.5,-1.9) 45(1.75,4.9) 46(2,-1.9) 47(2.25,4.9) 48(2.5,-1.9) 49(2.75,4.9) 50(3,-1.9) 51(3.25,4.9) 52(3.5,-1.9) 53(3.75,4.9) 54(4,-1.9) 55(4.25,4.9) 56(4.5,-1.9) 57(4.75,4.9) 58(5,-1.9) 59(5.25,4.9) 60(5.5,-1.9) 61(5.75,4.9) 62(6,-1.9) 63(6.25,4.9) 64(6.5,-1.9) 65(6.75,4.9) 66(7,-1.9) 67(7.25,4.9) 68(7.5,-1.9) 69(7.75,4.9) 70(8,-1.9) 71(8.25,4.9) 72(8.5,-1.9) 73(8.75,4.9) 74(9,-1.9) 75(9.25,4.9)
  rect 1.2x2.7 smd: 76(-10.35,4.5) 77(10.35,4.5)
CON_SODIMM_260_SMT_0D5_AS0A821_H2SB_7H
  round 0.13 hole 1.1 unplated: (-34.4,0.1)
  round 0.13 hole 1.6 unplated: (34.4,0.1)
  rect 0.28x1.75 smd: 1(33.375,4.2) 2(33.125,-4) 3(32.875,4.2) 4(32.625,-4) 5(32.375,4.2) 6(32.125,-4) 7(31.875,4.2) 8(31.625,-4) 9(31.375,4.2) 10(31.125,-4) 11(30.875,4.2) 12(30.625,-4) 13(30.375,4.2) 14(30.125,-4) 15(29.875,4.2) 16(29.625,-4) 17(29.375,4.2) 18(29.125,-4) 19(28.875,4.2) 20(28.625,-4) 21(28.375,4.2) 22(28.125,-4) 23(27.875,4.2) 24(27.625,-4) 25(27.375,4.2) 26(27.125,-4) 27(26.875,4.2) 28(26.625,-4) 29(26.375,4.2) 30(26.125,-4) 31(25.875,4.2) 32(25.625,-4) 33(25.375,4.2) 34(25.125,-4) 35(24.875,4.2) 36(24.625,-4) 37(24.375,4.2) 38(24.125,-4) 39(23.875,4.2) 40(23.625,-4) 41(23.375,4.2) 42(23.125,-4) 43(22.875,4.2) 44(22.625,-4) 45(22.375,4.2) 46(22.125,-4) 47(21.875,4.2) 48(21.625,-4) 49(21.375,4.2) 50(21.125,-4) 51(20.875,4.2) 52(20.625,-4) 53(20.375,4.2) 54(20.125,-4) 55(19.875,4.2) 56(19.625,-4) 57(19.375,4.2) 58(19.125,-4) 59(18.875,4.2) 60(18.625,-4) 61(18.375,4.2) 62(18.125,-4) 63(17.875,4.2) 64(17.625,-4) 65(17.375,4.2) 66(17.125,-4) 67(16.875,4.2) 68(16.625,-4) 69(16.375,4.2) 70(16.125,-4) 71(15.875,4.2) 72(15.625,-4) 73(15.375,4.2) 74(15.125,-4) 75(14.875,4.2) 76(14.625,-4) 77(14.375,4.2) 78(14.125,-4) 79(13.875,4.2) 80(13.625,-4) 81(13.375,4.2) 82(13.125,-4) 83(12.875,4.2) 84(12.625,-4) 85(12.375,4.2) 86(12.125,-4) 87(11.875,4.2) 88(11.625,-4) 89(11.375,4.2) 90(11.125,-4) 91(10.875,4.2) 92(10.625,-4) 93(10.375,4.2) 94(10.125,-4) 95(9.875,4.2) 96(9.625,-4) 97(9.375,4.2) 98(9.125,-4) 99(8.875,4.2) 100(8.625,-4) 101(8.375,4.2) 102(8.125,-4) 103(7.875,4.2) 104(7.625,-4) 105(7.375,4.2) 106(7.125,-4) 107(6.875,4.2) 108(6.625,-4) 109(6.375,4.2) 110(6.125,-4) 111(5.875,4.2) 112(5.625,-4) 113(5.375,4.2) 114(5.125,-4) 115(4.875,4.2) 116(4.625,-4) 117(4.375,4.2) 118(4.125,-4) 119(3.875,4.2) 120(3.625,-4) 121(3.375,4.2) 122(3.125,-4) 123(2.875,4.2) 124(2.625,-4) 125(2.375,4.2) 126(2.125,-4) 127(1.875,4.2) 128(1.625,-4) 129(1.375,4.2) 130(1.125,-4) 131(0.875,4.2) 132(0.625,-4) 133(0.375,4.2) 134(0.125,-4) 135(-0.125,4.2) 136(-0.375,-4) 137(-0.625,4.2) 138(-0.875,-4) 139(-1.125,4.2) 140(-1.375,-4) 141(-1.625,4.2) 142(-1.875,-4) 143(-2.125,4.2) 144(-2.375,-4) 145(-4.625,4.2) 146(-4.875,-4) 147(-5.125,4.2) 148(-5.375,-4) 149(-5.625,4.2) 150(-5.875,-4) 151(-6.125,4.2) 152(-6.375,-4) 153(-6.625,4.2) 154(-6.875,-4) 155(-7.125,4.2) 156(-7.375,-4) 157(-7.625,4.2) 158(-7.875,-4) 159(-8.125,4.2) 160(-8.375,-4) 161(-8.625,4.2) 162(-8.875,-4) 163(-9.125,4.2) 164(-9.375,-4) 165(-9.625,4.2) 166(-9.875,-4) 167(-10.125,4.2) 168(-10.375,-4) 169(-10.625,4.2) 170(-10.875,-4) 171(-11.125,4.2) 172(-11.375,-4) 173(-11.625,4.2) 174(-11.875,-4) 175(-12.125,4.2) 176(-12.375,-4) 177(-12.625,4.2) 178(-12.875,-4) 179(-13.125,4.2) 180(-13.375,-4) 181(-13.625,4.2) 182(-13.875,-4) 183(-14.125,4.2) 184(-14.375,-4) 185(-14.625,4.2) 186(-14.875,-4) 187(-15.125,4.2) 188(-15.375,-4) 189(-15.625,4.2) 190(-15.875,-4) 191(-16.125,4.2) 192(-16.375,-4) 193(-16.625,4.2) 194(-16.875,-4) 195(-17.125,4.2) 196(-17.375,-4) 197(-17.625,4.2) 198(-17.875,-4) 199(-18.125,4.2) 200(-18.375,-4) 201(-18.625,4.2) 202(-18.875,-4) 203(-19.125,4.2) 204(-19.375,-4) 205(-19.625,4.2) 206(-19.875,-4) 207(-20.125,4.2) 208(-20.375,-4) 209(-20.625,4.2) 210(-20.875,-4) 211(-21.125,4.2) 212(-21.375,-4) 213(-21.625,4.2) 214(-21.875,-4) 215(-22.125,4.2) 216(-22.375,-4) 217(-22.625,4.2) 218(-22.875,-4) 219(-23.125,4.2) 220(-23.375,-4) 221(-23.625,4.2) 222(-23.875,-4) 223(-24.125,4.2) 224(-24.375,-4) 225(-24.625,4.2) 226(-24.875,-4) 227(-25.125,4.2) 228(-25.375,-4) 229(-25.625,4.2) 230(-25.875,-4) 231(-26.125,4.2) 232(-26.375,-4) 233(-26.625,4.2) 234(-26.875,-4) 235(-27.125,4.2) 236(-27.375,-4) 237(-27.625,4.2) 238(-27.875,-4) 239(-28.125,4.2) 240(-28.375,-4) 241(-28.625,4.2) 242(-28.875,-4) 243(-29.125,4.2) 244(-29.375,-4) 245(-29.625,4.2) 246(-29.875,-4) 247(-30.125,4.2) 248(-30.375,-4) 249(-30.625,4.2) 250(-30.875,-4) 251(-31.125,4.2) 252(-31.375,-4) 253(-31.625,4.2) 254(-31.875,-4) 255(-32.125,4.2) 256(-32.375,-4) 257(-32.625,4.2) 258(-32.875,-4) 259(-33.125,4.2) 260(-33.375,-4)
  rect 2x3.5 smd: 261(-33.8,-11.9) 262(33.8,-11.9)
